# Altium PCB FMC_ADC_100M_10B_16CHA_TDC.PcbDoc (part 3 of 4) (continued)
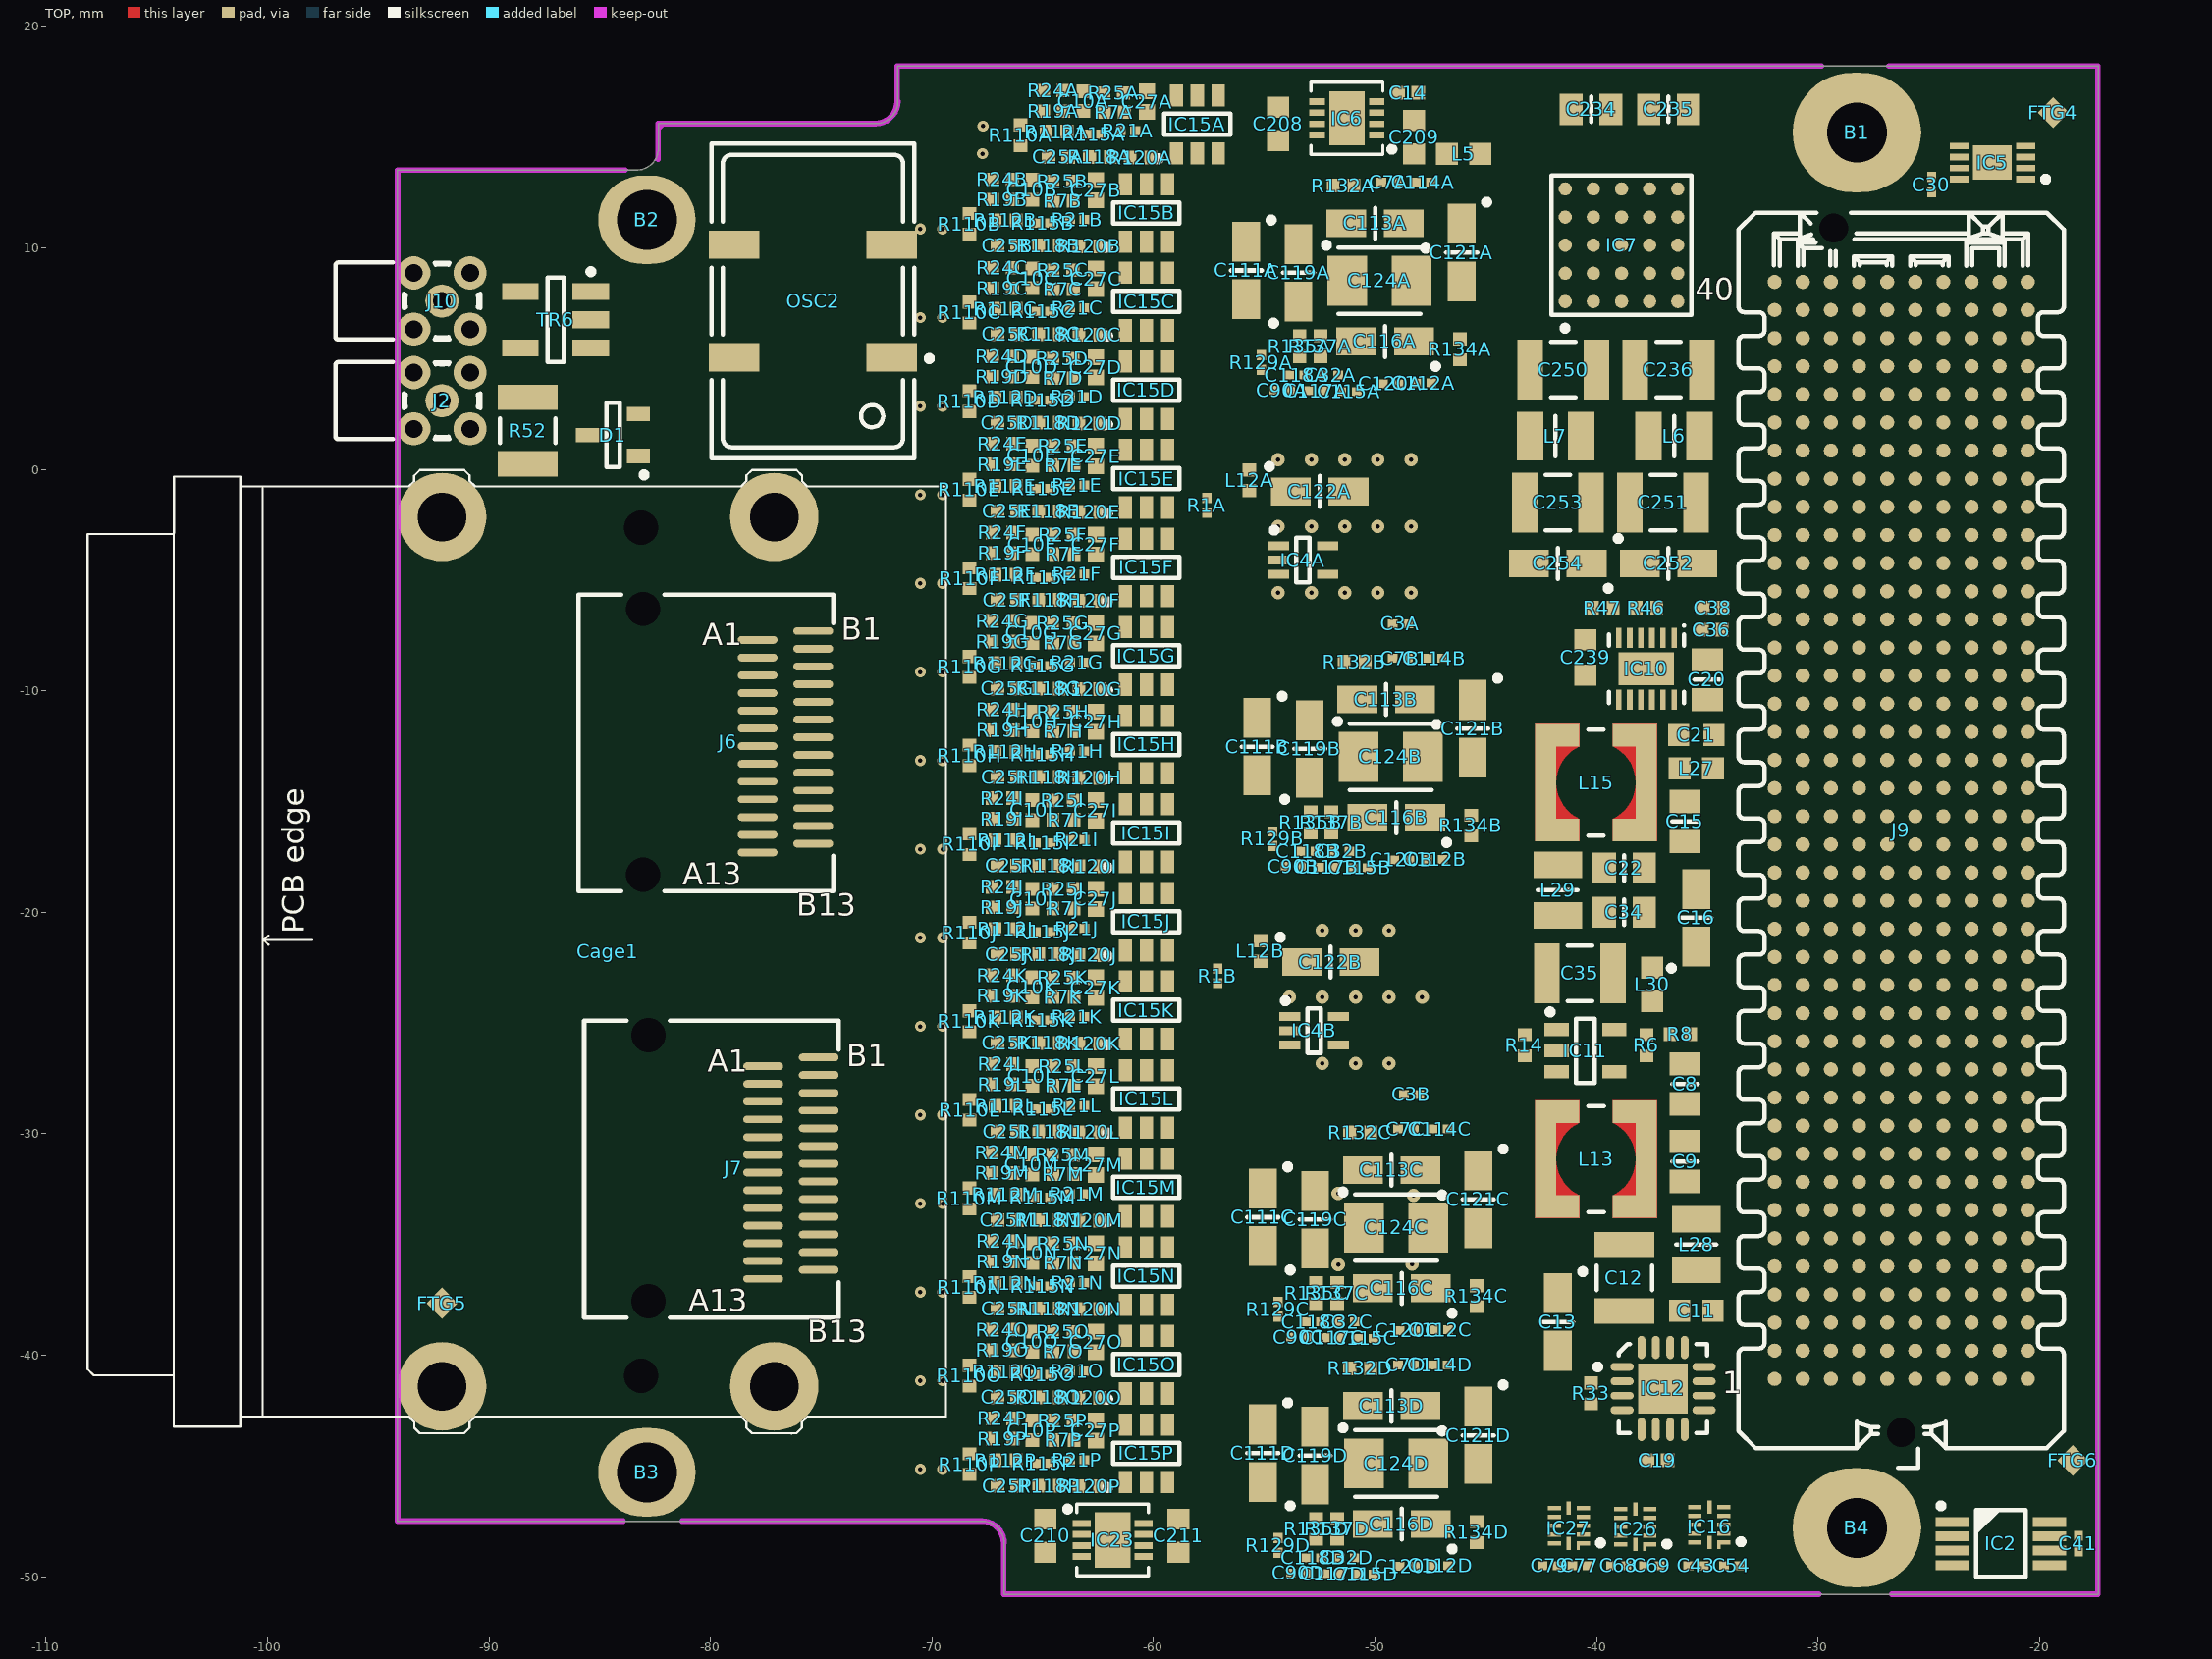
[diagram p0: TOP view]
## Part data (continued)
C40 C123: library part CC0402_1UF_16V_10%_X5R, "Non-polarised capacitor", Case=0402, Manufacturer=GENERIC, Manufacturer1 ComponentHeight=0.55mm, Manufacturer1 Example=TDK, Manufacturer1 Part Number=C1005X5R1C105KT, Tolerance=±10%, Voltage=16V, Author="CERN DEM JLC", Component Type=Standard, CreateDate=2012-10-25, HelpURL=\\cern.ch\dfs\Applications\Altium\Datasheets\CC0402_X5R_TDK_C.pdf, LatestRevisionDate=2012-10-25, Manufacturer Part Number=CC0402_1UF_16V_10%_X5R, Mounted=Yes, Part Description="SMD Multilayer Chip Ceramic Capacitor", Part Number=CC0402_1UF_16V_10%_X5R, Pin Count=2, Sense=No, SMD=Yes, Socket=No, Status=Preferred, TC=X5R
C63 C72: library part CC0402_470NF_6.3V_10%_X5R, "Non-polarised capacitor", Case=0402, Manufacturer=GENERIC, Manufacturer1 ComponentHeight=0.55mm, Manufacturer1 Example=MURATA, Manufacturer1 Part Number=GRM155R60J474KE19D, Tolerance=±10%, Voltage=6.3V, Author="CERN DEM JLC", Component Type=Standard, CreateDate=22.04.2010, HelpURL=\\cern.ch\dfs\Applications\Altium\Datasheets\CC0402_X5R_MURATA_GRM.pdf, LatestRevisionDate=22.04.2010, Manufacturer Part Number=CC0402_470NF_6.3V_10%_X5R, Mounted=Yes, Part Description="SMD Multilayer Chip Ceramic Capacitor", Part Number=CC0402_470NF_6.3V_10%_X5R, Pin Count=2, Sense=No, SMD=Yes, Socket=No, Status=Preferred, TC=X5R
C73: library part CC0805_5.6NF_50V_5%_C0G, "Non-polarised capacitor", Case=0805, Manufacturer=GENERIC, Manufacturer1 ComponentHeight=0.85mm, Manufacturer1 Example=Murata, Manufacturer1 Part Number=GRM2195C1H562JA01D, Tolerance=±5%, Voltage=50V, Component Type=Standard, Manufacturer Part Number=CC0805_5.6NF_50V_5%_C0G, Mounted=Yes, Part Description="SMD Multilayer Chip Ceramic Capacitor", Part Number=CC0805_5.6NF_50V_5%_C0G, Pin Count=2, Sense=No, SMD=Yes, Socket=No, Status=Preferred, TC=C0G/NP0
C74: library part CC1206_820NF_25V_10%_X7R, "Non-polarised capacitor", Case=1206, Manufacturer=GENERIC, Manufacturer1 ComponentHeight=1.25mm, Manufacturer1 Example=AVX, Manufacturer1 Part Number=12063C824KAT2A, Tolerance=±10%, Voltage=25V, Component Type=Standard, Manufacturer Part Number=CC1206_820NF_25V_10%_X7R, Mounted=Yes, Part Description="SMD Multilayer Chip Ceramic Capacitor", Part Number=CC1206_820NF_25V_10%_X7R, Pin Count=2, Sense=No, SMD=Yes, Socket=No, TC=X7R
C75: library part CC0603_1.2NF_50V_5%_C0G, "Non-polarised capacitor", Case=0603, Manufacturer=GENERIC, Manufacturer1 ComponentHeight=0.8mm, Manufacturer1 Example=KEMET, Manufacturer1 Part Number=C0603C122J5GACTU, Tolerance=±5%, Voltage=50V, Component Type=Standard, Manufacturer Part Number=CC0603_1.2NF_50V_5%_C0G, Mounted=Yes, Part Description="SMD Multilayer Chip Ceramic Capacitor", Part Number=CC0603_1.2NF_50V_5%_C0G, Pin Count=2, Sense=No, SMD=Yes, Socket=No, Status=Preferred, TC=C0G/NP0
C104: library part CC0201_10NF_10V_10%_X5R, "Non-polarised capacitor", Case=0201, Manufacturer=GENERIC, Manufacturer1 ComponentHeight=0.33mm, Manufacturer1 Example=AVX, Manufacturer1 Part Number=0201ZD103KAT2A, Tolerance=±10%, Voltage=10V, Author="CERN DEM JLC", Component Type=Standard, CreateDate=2007-12-03, HelpURL=\\cern.ch\dfs\Applications\Altium\Datasheets\CC0201_X5R_AVX.pdf, LatestRevisionDate=2007-12-03, Manufacturer Part Number=CC0201_10NF_10V_10%_X5R, Mounted=Yes, Part Description="SMD Multilayer Chip Ceramic Capacitor", Part Number=CC0201_10NF_10V_10%_X5R, Pin Count=2, SMD=Yes, Socket=No, Status="Not Recommended", Table="Capacitors SMD", TC=X5R
C111A C111B C111C C111D C116A C116B C116C C116D C122A C122B: library part CTE3216-18_33UF_4V_10%, "Polarised capacitor", Case=A, Manufacturer=GENERIC, Manufacturer1 ComponentHeight=1.8mm, Manufacturer1 Example=AVX, Manufacturer1 Part Number=TAJA336K004R, Tolerance=±10%, Voltage=4V, Author="CERN DEM JLC", Component Type=Standard, CreateDate=03.12.2007, HelpURL=\\cern.ch\dfs\Applications\Altium\Datasheets\CTE_AVX_TAJ.pdf, LatestRevisionDate=03.12.2007, Manufacturer Part Number=CTE3216-18_33UF_4V_10%, Mounted=Yes, Part Description="Solid Tantalum Chip Capacitor", Part Number=CTE3216-18_33UF_4V_10%, Pin Count=2, Sense=No, SMD=Yes, Socket=No, Status=Preferred
C113A C113B C113C C113D C119A C119B C119C C119D C121A C121B C121C C121D: library part CTE3216-18_100UF_6.3V_20%_ESR0500_AVX_TLJ, "Polarised capacitor", Case=A, Manufacturer=AVX, Manufacturer Part Number=TLJA107M006R0500, Tolerance=±20%, Voltage=6.3V, Author="CERN DEM JLC", ComponentHeight=1.8mm, Component Type=Standard, CreateDate=19.12.2013, HelpURL=\\cern.ch\dfs\Applications\Altium\Datasheets\CTE_AVX_TLJ.pdf, LatestRevisionDate=19.12.2013, Mounted=Yes, Part Description="ESR 0R5 Solid Tantalum Chip Capacitor", Part Number=CTE3216-18_100UF_6.3V_20%_ESR0500_AVX_TLJ, Pin Count=2, Sense=No, SMD=Yes, Socket=No, Status=None
C124A C124B C124C C124D: library part CTE3528-21_220UF_2.5V_10%, "Polarised capacitor", Case=B, Manufacturer=GENERIC, Manufacturer1 ComponentHeight=2.1mm, Manufacturer1 Example=AVX, Manufacturer1 Part Number=TAJB227K002R, Tolerance=±10%, Voltage=2.5V, Author="CERN DEM JLC", Component Type=Standard, CreateDate=03.12.2007, HelpURL=\\cern.ch\dfs\Applications\Altium\Datasheets\CTE_AVX_TAJ.pdf, LatestRevisionDate=03.12.2007, Manufacturer Part Number=CTE3528-21_220UF_2.5V_10%, Mounted=Yes, Part Description="Solid Tantalum Chip Capacitor", Part Number=CTE3528-21_220UF_2.5V_10%, Pin Count=2, Sense=No, SMD=Yes, Socket=No, Status=Preferred
C196: library part CC0603_4.7UF_6.3V_10%_X5R, "Non-polarised capacitor", Case=0603, Manufacturer=GENERIC, Manufacturer1 ComponentHeight=0.87mm, Manufacturer1 Example=PHYCOMP, Manufacturer1 Part Number=225520613672, Manufacturer Part Number=CC0603_4.7uF_6.3V_10%_X5R, Tolerance=±10%, Voltage=6.3V, Author="CERN DEM JLC", Component Type=Standard, CreateDate=03.12.2007, HelpURL=\\cern.ch\dfs\Applications\Altium\Datasheets\CC0805_X5R_PHYCOMP_HC.pdf, LatestRevisionDate=03.12.2007, Mounted=Yes, Part Description="SMD Multilayer Chip Ceramic Capacitor", Part Number=CC0603_4.7UF_6.3V_10%_X5R, Pin Count=2, Sense=No, SMD=Yes, Socket=No, Status=Preferred, TC=X5R
C239: library part CC0603_1UF_16V_10%_X7R, "Non-polarised capacitor", Case=0603, Manufacturer=GENERIC, Manufacturer1 ComponentHeight=0.9mm, Manufacturer1 Example="YAGEO PHYCOMP", Manufacturer1 Part Number=223878615663, Manufacturer Part Number=CC0603_1uF_16V_10%_X7R, Tolerance=±10%, Voltage=16V, Author="CERN DEM JLC", Component Type=Standard, CreateDate=03.12.2007, HelpURL=\\cern.ch\dfs\Applications\Altium\Datasheets\CC0603_X7R_PHYCOMP.pdf, LatestRevisionDate=17.04.2015, Mounted=Yes, Part Description="SMD Multilayer Chip Ceramic Capacitor", Part Number=CC0603_1UF_16V_10%_X7R, Pin Count=2, Sense=No, SMD=Yes, Socket=No, Status=None, TC=X7R
Cage1: "SAS 2x1 Cage", Manufacturer="TYCO ELECTRONICS", Manufacturer Part Number=1888321-2, Part Number=TYCO_1888321-2, Author=GK, ComponentHeight=9.7mm, Component Type=Standard, CreateDate=04.03.2014, Family=SAS, HelpURL=\\cern.ch\dfs\Applications\Altium\Datasheets\TYCO_1888617-1.pdf, LatestRevisionDate=04.03.2014, Mounted=Yes, Part Description="1x1 Press Fit Cage For Use with QSFP Connector (Quad Small Form-factor Pluggable)", Pin Count=12, PressFit=Yes, Sense=No, SMD=Yes, Socket=No, Status=None
D1: "Serial Diode", Case=SOT23, Manufacturer=INFINEON, Power=250mA, Voltage=150V, Author="CERN DEM JLC", ComponentHeight=1.1mm, Component Type=Standard, CreateDate=18/1/2010, Device=BAR66, HelpURL=\\cern.ch\dfs\Applications\Altium\Datasheets\BAR66.pdf, LatestRevisionDate=5/10/2010, Manufacturer Part Number=BAR66, Mounted=Yes, PackageDescription="SOT23 3-Leads, Pitch 0.95mm - Body 1.3x2.9mm, IPC Medium Density", Part Description="Silicon PIN Diode Array (Series Connected)", Part Number=BAR66, Pin Count=3, SMD=Yes, Socket=No, Table=Diodes
FTG1 FTG2 FTG3 FTG4 FTG5 FTG6: library part FIDUCIAL_TARGET_S100-200, "Fiducial Target", Author="CERN DEM JLC", ComponentHeight=0mm, Component Type="Standard (No BOM)", CreateDate=9/2/2010, Family=Fiducial, LatestRevisionDate=4/4/2012, Mounted=No, PackageDescription="Square Fiducial Target, Top Layer, 1.0mm, Top Solder 2.0mm, Keepout =2.0mm", Part Description="Square Fiducial Target, Top Layer, 1.0mm, Top Solder 2.0mm, Keepout =2.0mm", Part Number=FIDUCIAL_TARGET_S100-200, Pin Count=1, SMD=Yes, Socket=No, Status=None, Table=Pads
IC1A IC1B: "10-Bit,200-MSPS,4-Channel and 12-Bit,80-MSPS,8-ChannelAnalog-to-DigitalConverter, -40 to 85 degC, 64-pin QFP (PFP8), Green (RoHS & no Sb/Br)", Case=QFP80, Manufacturer="TEXAS INSTRUMENTS", Author=GK, Bonding=No, ComponentHeight=1.2mm, Component Type=Standard, CreateDate=22.01.2015, Device=ADS5296ARGCT, HelpURL=\\cern.ch\dfs\Applications\Altium\Datasheets\ADS5292IPFP.pdf, LatestRevisionDate=22.01.2015, Manufacturer Part Number=ADS5296ARGCT, Mounted=Yes, PackageDescription="QFN, 0.50mm Pitch, Square; 64 Pin, 9.00mm L X 9.00mm W X 1.00mm H Body (7.25 X 7.25mm Thermal Tab), IPC Medium Density", Part Description="10-Bit,200-MSPS,4-Channeland 12-Bit,80-MSPS,8-ChannelAnalog-to-DigitalConverter", Part Number=ADS5296ARGCT, Pin Count=65, PressFit=No, Sense=No, SMD=Yes, Socket=No
IC2 IC13: "Digital Temperature Sensor and Thermal Watchdog with Two-Wire Interface", Case=SSOP8, Manufacturer="TEXAS INSTRUMENTS", Author="CERN DEM JLC", ComponentHeight=1.09mm, Component Type=Standard, CreateDate=2012-10-15, Device=LM75AIMM/NOPB, HelpURL=\\cern.ch\dfs\Applications\Altium\Datasheets\LM75AIMM-NOPB.pdf, LatestRevisionDate=2012-10-15, Manufacturer Part Number=LM75AIMM/NOPB, Mounted=Yes, PackageDescription="SOP, 0.65mm pitch; 8 pin,3.00mm W X 3.00mm L X 1.09mm H bodyI, PC Medium Density", Part Description="-25° to +100°C ±2°C Digital Temperature Sensor and Thermal Watchdog with Two-Wire Interface", Part Number=LM75AIMM/NOPB, Pin Count=8, SMD=Yes, Socket=No, Table=Sensors
IC3: "Clock Generator with 14 LVDS/HSTL Outputs", Case=QFN72, Manufacturer="ANALOG DEVICES", Author="CERN DEM JLC", Bonding=No, ComponentHeight=1mm, Component Type=Standard, CreateDate=11.10.2016, Device=AD9528BCPZ, HelpURL=\\cern.ch\dfs\Applications\Altium\Datasheets\AD9528BCPZ.pdf, LatestRevisionDate=11.10.2016, Manufacturer Part Number=AD9528BCPZ, Mounted=Yes, PackageDescription="QFN,0.50mm Pitch, Square;72 Pin,10.00mm L X 10.00mm W X 1.00mm H Body (W/Thermal Tab 5.45mm X 5.45mm), IPC Medium Density", Part Description="Clock Generator with 14 LVDS/HSTL Outputs", Part Number=AD9528BCPZ, Pin Count=73, PressFit=No, Sense=No, SMD=Yes, Socket=No
IC4A IC4B: "Single Power Supply Single Buffer Gate with 3-State Output CMOS Logic Level Shifter", Case=SOT353, Manufacturer="TEXAS INSTRUMENTS", Author="CERN DEM JLC", Bonding=No, ComponentHeight=1.1mm, Component Type=Standard, CreateDate=13.06.2018, Device=SN74LV1T125DCKR, HelpURL=\\cern.ch\dfs\Applications\Altium\Datasheets\SN74LV1T125DCKR.pdf, LatestRevisionDate=13.06.2018, Manufacturer Part Number=SN74LV1T125DCKR, Mounted=Yes, PackageDescription="SOT353, SC70-5, SOT, 0.65mm Pitch, 5 pin, 1.25mm W X 2.00mm L X 1.10mm H, IPC Medium Density", Part Description="Single Power Supply Single Buffer Gate with 3-State Output CMOS Logic Level Shifter", Part Number=SN74LV1T125DCKR, Pin Count=5, PressFit=No, Sense=No, SMD=Yes, Socket=No
IC5: "1.7-5.5V 64K I2C Serial EEPROM", Case=DFN8, Manufacturer="MICROCHIP TECHNOLOGY", Author="CERN DEM JLC", ComponentHeight=1.0mm, Component Type=Standard, CreateDate=18/11/2009, Device=24AA64T-I/MC, HelpURL=\\cern.ch\dfs\Applications\Altium\Datasheets\24AA64T-I-MC.pdf, LatestRevisionDate=24/1/2011, Manufacturer Part Number=24AA64T-I/MC, Mounted=Yes, PackageDescription="SON (DFN), 0.50mm pitch, 8 pin, 2mm X 3mm X 1.00mm H body (w/thermal tab 1.75 X 1.55mm),  IPC Medium Density", Part Description="1.7V-5.5V, 64K  (8K x 8-bit) I2C Serial EEPROM", Part Number=24AA64T-I/MC, Pin Count=9, SMD=Yes, Socket=No, Table=Logic
IC6 IC9: "6.5 V, 1 A, Ultralow Noise, High PSRR,  Fast Transient Response CMOS LDO", Manufacturer="Analog Devices", Manufacturer Part Number=ADM7171ACPZ-3.3-R7, Type=Type
IC7: "3.6V-20V To 1.5V-12V, Dual 2A or Single 4A  Ultrathin Step-Down DC/DC µModule Regulator", Case=BGA25, Manufacturer="LINEAR TECHNOLOGY", Author="CERN DEM MR", Bonding=No, ComponentHeight=2.62mm, Component Type=Standard, CreateDate=29.09.2017, Device=LTM4622AEY#PBF, HelpURL=\\cern.ch\dfs\Applications\Altium\Datasheets\LTM4622AEY#PBF.pdf, LatestRevisionDate=29.09.2017, Manufacturer Part Number=LTM4622AEY#PBF, Mounted=Yes, PackageDescription="BGA, 1.27mm Pitch, Square; 25 Pin, 5 Columns X 5 Rows, 6.25mm X 6.25mm X 2.62mm H", Part Description="3.6V-20V To 1.5V-12V, Dual 2A or Single 4A  Ultrathin Step-Down DC/DC uModule Regulator", Part Number=LTM4622AEY#PBF, Pin Count=25, PressFit=No, Sense=No, SMD=Yes, Socket=No
IC8A IC8B IC8C IC8D: "4-Channel Time-to-Digital Converter", Case=QFN64, Manufacturer="ACAM MESS-ELECTRONIC", Author=GK, Bonding=No, ComponentHeight=1.2mm, Component Type=Standard, CreateDate=05.07.2010, Device=TDC-GPX2, HelpURL=\\cern.ch\dfs\Applications\Altium\Datasheets\TDC-GPX.pdf, LatestRevisionDate=05.07.2010, Manufacturer Part Number=TDC-GPX2, Mounted=Yes, PackageDescription="QFN,0.50mm pitch,square;64 pin,9.00mm L X 9.00mm W X 1.00mm H body (6.15mm X 6.15mm thermal tab), IPC Medium Density", Part Description="4-Channel Time-to-Digital Converter", Part Number=TDC-GPX2, Pin Count=65, PressFit=No, Sense=No, SMD=Yes, Socket=No
IC10: "Low Noise, 1A Synchronous Inverting Buck Converter in 3x3 WSON Package", Case=SON12, Manufacturer="TEXAS INSTRUMENTS", Author=GK, Bonding=No, ComponentHeight=1mm, Component Type=Standard, CreateDate=02.03.2016, Device=TPS63710DRRT, HelpURL=\\cern.ch\dfs\Applications\Altium\Datasheets\TPS62130RGT.pdf, LatestRevisionDate=02.03.2016, Manufacturer Part Number=TPS63710DRRT, Mounted=Yes, PackageDescription="SON, 12-Leads, Body 3,00x3,00mm, Pitch 0,50mm, Thermal Pad 2,50x1,49mm, IPC Medium Density", Part Description="Low Noise, 1A Synchronous Inverting Buck Converter in 3x3 WSON Package", Part Number=TPS63710DRRT, Pin Count=13, PressFit=No, Sense=No, SMD=Yes, Socket=No
IC11: "1.5A High Efficiency Step-Down Converter, Adjustable Output Voltage", Case=SOT23-5, Manufacturer="TEXAS INSTRUMENTS", Author="CERN DEM JMW", Bonding=No, ComponentHeight=1.45mm, Component Type=Standard, CreateDate=29.08.2016, Device=TLV62565DBVT, HelpURL=\\cern.ch\dfs\Applications\Altium\Datasheets\TLV62565DBVT.pdf, LatestRevisionDate=29.08.2016, Manufacturer Part Number=TLV62565DBVT, Mounted=Yes, PackageDescription="SOT, 0.95mm Pitch; 5 Pin, 1.60mm W X 2.90mm L X 1.45mm H Body, IPC Medium Density", Part Description="1.5A High Efficiency Step-Down Converter, Adjustable Output Voltage", Part Number=TLV62565DBVT, Pin Count=5, PressFit=No, Sense=No, SMD=Yes, Socket=No
IC12: "2A, Low-Dropout Linear Regulator", Case=QFN16, Manufacturer="ANALOG DEVICES", Author="CERN DEM JLC", Bonding=No, ComponentHeight=1mm, Component Type=Standard, CreateDate=05.02.2013, Device=ADP1740ACPZ-1.8-R7, HelpURL=\\cern.ch\dfs\Applications\Altium\Datasheets\ADP1740ACPZ-1.8-R7.pdf, LatestRevisionDate=05.02.2013, Manufacturer Part Number=ADP1740ACPZ-1.8-R7, Mounted=Yes, PackageDescription="QFN, 0.65mm pitch,square; 4 pin X 4 pin, 4mm X 4mm X 1mm H body (w/thermal tab 2.25 X 2.25mm),  IPC Medium Density", Part Description="1.8V, 2A, Low-Dropout Linear Regulator", Part Number=ADP1740ACPZ-1.8-R7, Pin Count=17, PressFit=No, Sense=No, SMD=Yes, Socket=No
IC14 IC24: "Low-Jitter LVDS Fanout Clock Buffers, 10-Output,  Any-Input, Any-Frequency up to 1250MHz", Case=QFN16, Manufacturer="SILICON LABS", Author="CERN DEM MR", Bonding=No, ComponentHeight=0.9mm, Component Type=Standard, CreateDate=04.09.2017, Device=Si53340-B-GM, HelpURL=\\cern.ch\dfs\Applications\Altium\Datasheets\Si53340-B-GM.pdf, LatestRevisionDate=04.09.2017, Manufacturer Part Number=Si53340-B-GM, Mounted=Yes, PackageDescription="QFN, 0.50mm Pitch, Square; 16 Pin, 3.00mm L X 3.00mm W X 0.90mm H Body (w/thermal tab 1.75mm x 1.75mm), IPC Medium Density", Part Description="Low-Jitter LVDS Fanout Clock Buffers, 10-Output,  Any-Input, Any-Frequency up to 1250MHz", Part Number=Si53340-B-GM, Pin Count=17, PressFit=No, Sense=No, SMD=Yes, Socket=No
IC15A IC15B IC15C IC15D IC15E IC15F IC15G IC15H IC15I IC15J IC15K IC15L IC15M IC15N IC15O IC15P: "High Speed Comparator with LVDS Output", Case=SOT23-6, Manufacturer="NATIONAL SEMICONDUCTOR", Author="CERN DEM JLC", Bonding=No, ComponentHeight=1mm, Component Type=Standard, CreateDate=30.03.2010, Device=LMH7220MK/NOPB, HelpURL=\\cern.ch\dfs\Applications\Altium\Datasheets\LMH7220MK-NOPB.pdf, LatestRevisionDate=30.03.2010, Manufacturer Part Number=LMH7220MK/NOPB, Mounted=Yes, PackageDescription="0.95mm, pitch; 6 pin, 1.65mm W X 2.97mm L X 1.00mm H body IPC Medium Density", Part Description="High Speed Comparator with LVDS Output", Part Number=LMH7220MK/NOPB, Pin Count=6, PressFit=No, Sense=No, SMD=Yes, Socket=No
IC16 IC21 IC25 IC26 IC27: "4-bit Bidirectional Auto-direction Sensing Translator with Fully Symmetric 0.9V to 3.6V Range", Case=QFN12, Manufacturer="TEXAS INSTRUMENTS", Author="CERN DEM JLC", Bonding=No, ComponentHeight=0.55mm, Component Type=Standard, CreateDate=27.10.2014, Device=TXB0304RUTR, HelpURL=\\cern.ch\dfs\Applications\Altium\Datasheets\TXB0304RUTR.pdf, LatestRevisionDate=28.10.2014, Manufacturer Part Number=TXB0304RUTR, Mounted=Yes, PackageDescription="SON, TEXAS RUT (R-PUQFN-N12), 0.50mm Pitch, 12-pin, 1.70mm W  X 2.00mm L X 0.55mm Height", Part Description="4-bit Bidirectional Auto-direction Sensing Translator with Fully Symmetric 0.9V to 3.6V Range", Part Number=TXB0304RUTR, Pin Count=12, PressFit=No, Sense=No, SMD=Yes, Socket=No
IC17: library part SN65LVDM176, "High Speed Differential Transceiver LVDS/LVTTL", ComponentLink1Description=Datasheet, ComponentLink1URL="C:\TSR\Laurin\Projects\FMC\CERN DAC\Parts\Digital\SN65LVDM176.pdf"
IC18 IC19: "8-Bit, Octal-Channel, Ultra-Low Glitch, Voltage Output, Two-Wire Interface Digital-to-Analog Converter", Case=QFN24, Manufacturer="TEXAS INSTRUMENTS", Author="CERN DEM MR", Bonding=No, ComponentHeight=1mm, Component Type=Standard, CreateDate=14.07.2016, Device=DAC7578SRGE, HelpURL=\\cern.ch\dfs\Applications\Altium\Datasheets\DAC7578SRGE.pdf, LatestRevisionDate=14.07.2016, Manufacturer Part Number=DAC7578SRGE, Mounted=Yes, PackageDescription="QFN, 0.50mm Pitch, Square; 24 Pin, 4.00mm L X 4.00mm W X 1.00mm H body(w/thermal tab 2.8 X 2.8mm), IPC Medium Density", Part Description="12-Bit, Octal-Channel, Ultra-Low Glitch, Voltage Output, Two-Wire Interface Digital-To-Analog Converters", Part Number=DAC7578SRGE, Pin Count=25, PressFit=No, Sense=No, SMD=Yes, Socket=No
IC20: "3-Terminal Regulator 1=IN 2=OUT 3=GND", Case=SOT23, Manufacturer="TEXAS INSTRUMENTS", Author="CERN DEM JLC", Bonding=No, ComponentHeight=1.12mm, Component Type=Standard, CreateDate=19.12.2016, Device=REF3025AIDBZT, HelpURL=\\cern.ch\dfs\Applications\Altium\Datasheets\REF3025AIDBZT.pdf, LatestRevisionDate=19.12.2016, Manufacturer Part Number=REF3025AIDBZT, Mounted=Yes, PackageDescription="SOT, 0.95mm, pitch; 3 pin,1.30mm W X 2.92mm L X 1.12mm H body, IPC Medium Density", Part Description="2.5V, 50ppm/°C Max, 50uA, CMOS Voltage Reference", Part Number=REF3025AIDBZT, Pin Count=3, PressFit=No, Sense=No, SMD=Yes, Socket=No
IC22A IC22B IC22C IC22D IC22E IC22F IC22G IC22H IC22I IC22J IC22K IC22L IC22M IC22N IC22O IC22P: library part CMP-0055-00983-1, "900 MHz Fully Differential Amplifier with Output Limiting Clamp, 8-pin LLP", Manufacturer="National Semiconductor", PackageTopMarking=XYTT*6553, PowerWise=Y, CompType=Amplifiers, DatasheetVersion=Nov-2008, PackageDescription="LLP, Plastic, Dual, 2.5 x 3.0 x 0.8mm Body, 8 Lead, 0.5mm Pitch, No Pullback", PackageReference=SDA08C, PackageVersion="revA, Jan-2004", PinCount=8, RoHS=Y
IC23: "20 V, 500 mA, Low Noise LDO Regulator  with Soft Start", Manufacturer="Analog Devices", Manufacturer Part Number=ADP7105ACPZ-5.0-R7, Type=Type
IC28: "Dual Bidirectional I2C Bus And SMBus Voltage-Level Translator", Case=SSOP8, Manufacturer="TEXAS INSTRUMENTS", Author="CERN DEM JLC", ComponentHeight=1.3mm, Component Type=Standard, CreateDate=2013-02-25, Device=PCA9306DCTR, HelpURL=\\cern.ch\dfs\Applications\Altium\Datasheets\PCA9306DCTR.pdf, LatestRevisionDate=2013-02-25, Manufacturer Part Number=PCA9306DCTR, Mounted=Yes, PackageDescription="SOP, 0.65mm, Pitch; 8 Pin, 2.80mm W X 2.95mm L X 1.30mm H Body, PC Medium Density", Part Description="Dual Bidirectional I2C Bus And SMBus Voltage-Level Translator", Part Number=PCA9306DCTR, Pin Count=8, SMD=Yes, Socket=No, Table="Analog & Interface"
J1A J1B J1C J1D J1E J1F J1G J1H J1I J1J J1K J1L J1M J1N J1O J1P J5A J5B J5C J5D J5E J5F J5G J5H J5I J5J J5K J5L J5M J5N J5O J5P: library part HIROSE_U.FL-R-SMT-1(10), Manufacturer="HIROSE (HRS)", Manufacturer Part Number=U.FL-R-SMT-1(10), Author="CERN DEM JLC", ComponentHeight=1.25mm, Component Type=Standard, CreateDate=24.03.2010, Family=U.FL, HelpURL=\\cern.ch\dfs\Applications\Altium\Datasheets\HIROSE_U.FL-R-SMT-1(10).pdf, LatestRevisionDate=24.03.2010, Mounted=Yes, Part Description="Up to 6GHz Ultra Small Surface Mount Male Coaxial Connectors U.FL Series", Part Number=HIROSE_U.FL-R-SMT-1(10), Pin Count=2, PressFit=No, Sense=No, SMD=Yes, Socket=No, Status=None
J2 J10: library part "HUBER-SUHNER_85_MMCX-50-0-1/111 OH", Manufacturer=HUBER+SUHNER, Manufacturer Part Number="85_MMCX-50-0-1/111 OH", Author="CERN DEM JLC", ComponentHeight=9.6mm, Component Type=Standard, CreateDate=2011-10-04, Family=MMCX, HelpURL="\\cern.ch\dfs\Applications\Altium\Datasheets\HUBER-SUHNER_85_MMCX-50-0-1-111 OH.pdf", LatestRevisionDate=2011-10-04, Mounted=Yes, Part Description="MMCX 50 Ohms Right Angle PCB Jack", Part Number="HUBER-SUHNER_85_MMCX-50-0-1/111 OH", Pin Count=2, SMD=No, Socket=No, Status=None, Table=Miscellaneous
J6 J7: "26Position mini SAS Connector", Manufacturer="TYCO ELECTRONICS", Manufacturer Part Number=1761987-7, Part Number=TYCO_1761987-7, Author=GK, ComponentHeight=5.55mm, Component Type=Standard, CreateDate=15.07.2013, Family=SAS, HelpURL=\\cern.ch\dfs\Applications\Altium\Datasheets\TYCO_1761987-9.pdf, LatestRevisionDate=15.07.2013, Mounted=Yes, Part Description="Surface Mount EVERCLEAR Mini-SAS Right Angle Host Connector", Pin Count=38, PressFit=No, Sense=No, SMD=No, Socket=No, Status=None
J9: library part SAMTEC_ASP-134488-01, "Connector VITA 57, 400 Male contacts in 10 row abcdefghj", Manufacturer=SAMTEC, Manufacturer Part Number=ASP-134488-01, Author="CERN DEM JLC", ComponentHeight=6.1mm, Component Type=Standard, CreateDate=30/04/2009, Family="VITA 57", HelpURL=\\cern.ch\dfs\Applications\Altium\Datasheets\SAMTEC_ASP-134488-01.pdf, LatestRevisionDate=17/08/2009, Mounted=Yes, Part Description="400 contacts (10 rows abcdefghj) Surface Mount Male Connector, VITA 57 (MC-HPC-10)", Part Number=SAMTEC_ASP-134488-01, Pin Count=400, SMD=Yes, Socket=No, Status=None, Table=SAMTEC
L1 L2 L4 L11 L14 L16 L17 L18 L19 L20 L21 L22 L23 L24 L25 L26: library part IND_MURATA_DLW21SN900SQ2L, "Inductor Common Mode", Case=0805, Manufacturer=MURATA, Manufacturer Part Number=DLW21SN900SQ2L, Power=330mA, Resistance=0.35R, Tolerance=±25%, Author="CERN DEM JLC", ComponentHeight=1.4mm, Component Type=Standard, CreateDate=01.07.2014, HelpURL=\\cern.ch\dfs\Applications\Altium\Datasheets\IND_MURATA_DLW21S.pdf, LatestRevisionDate=01.07.2014, Mounted=Yes, Part Description="Wire Wound Common Mode Choke Coil (DLW21S Series)", Part Number=IND_MURATA_DLW21SN900SQ2L, Pin Count=4, Sense=No, SMD=Yes, Socket=No, Status=None
L3 L5 L8 L9 L27 L30: library part IND0603_MURATA_BLM18SG121TN1D, "Inductor", Case=0603, Manufacturer=MURATA, Manufacturer Part Number=BLM18SG121TN1D, Power=3A, Resistance=0.025R, Tolerance=±25%, Author="CERN DEM JLC", ComponentHeight=0.65mm, Component Type=Standard, CreateDate=23.07.2014, HelpURL=\\cern.ch\dfs\Applications\Altium\Datasheets\IND0603_MURATA_BLM18S.pdf, LatestRevisionDate=23.07.2014, Mounted=Yes, Part Description="SMD EMIFIL Suppression Chip Ferrite Bead", Part Number=IND0603_MURATA_BLM18SG121TN1D, Pin Count=2, Sense=No, SMD=Yes, Socket=No, Status=None
L6 L7 L28 L29: library part IND1008_1UH_20%_WURTH_74479787210B, "Inductor", Case=1008, Manufacturer="WURTH ELEKTRONIK", Manufacturer Part Number=74479787210B, Power=1.95A, Resistance=0.06R, Tolerance=±20%, Author="CERN DEM JLC", ComponentHeight=1mm, Component Type=Standard, CreateDate=01.10.2014, HelpURL=\\cern.ch\dfs\Applications\Altium\Datasheets\IND_WURTH_WE-PMI_74479787210B.pdf, LatestRevisionDate=01.10.2014, Mounted=Yes, Part Description="Power Multilayer Inductor (WE-PMI Series)", Part Number=IND1008_1UH_20%_WURTH_74479787210B, Pin Count=2, Sense=No, SMD=Yes, Socket=No, Status=None
L10 L12A L12B L31: library part IND0402_MURATA_BLM15HD601SN1, Case=0402, Manufacturer=MURATA, Manufacturer Part Number=BLM15HD601SN1D, Power=300mA, Resistance=0.85R, Tolerance=±25%, Author="CERN DEM JLC", ComponentHeight=0.55mm, Component Type=Standard, CreateDate=28.02.2012, HelpURL=\\cern.ch\dfs\Applications\Altium\Datasheets\IND0402_MURATA_BLM15H.pdf, LatestRevisionDate=25.10.2018, Mounted=Yes, Part Description="SMD EMIFIL Suppression Chip Ferrite Bead", Part Number=IND0402_MURATA_BLM15HD601SN1, Pin Count=2, Sense=No, SMD=Yes, Socket=No, Status=None